# Altium PCB PCB_node1.PcbDoc
Units mil, origin at the board's own origin, x right, y up, seen from the top; angles counter-clockwise.
Board outline 6000 x 4000 mil, 2 copper layers (Top Layer, Bottom Layer); 44 components, 46 nets, 168 pads, 0 vias.
Unrouted connection lines stored in the file: 5.
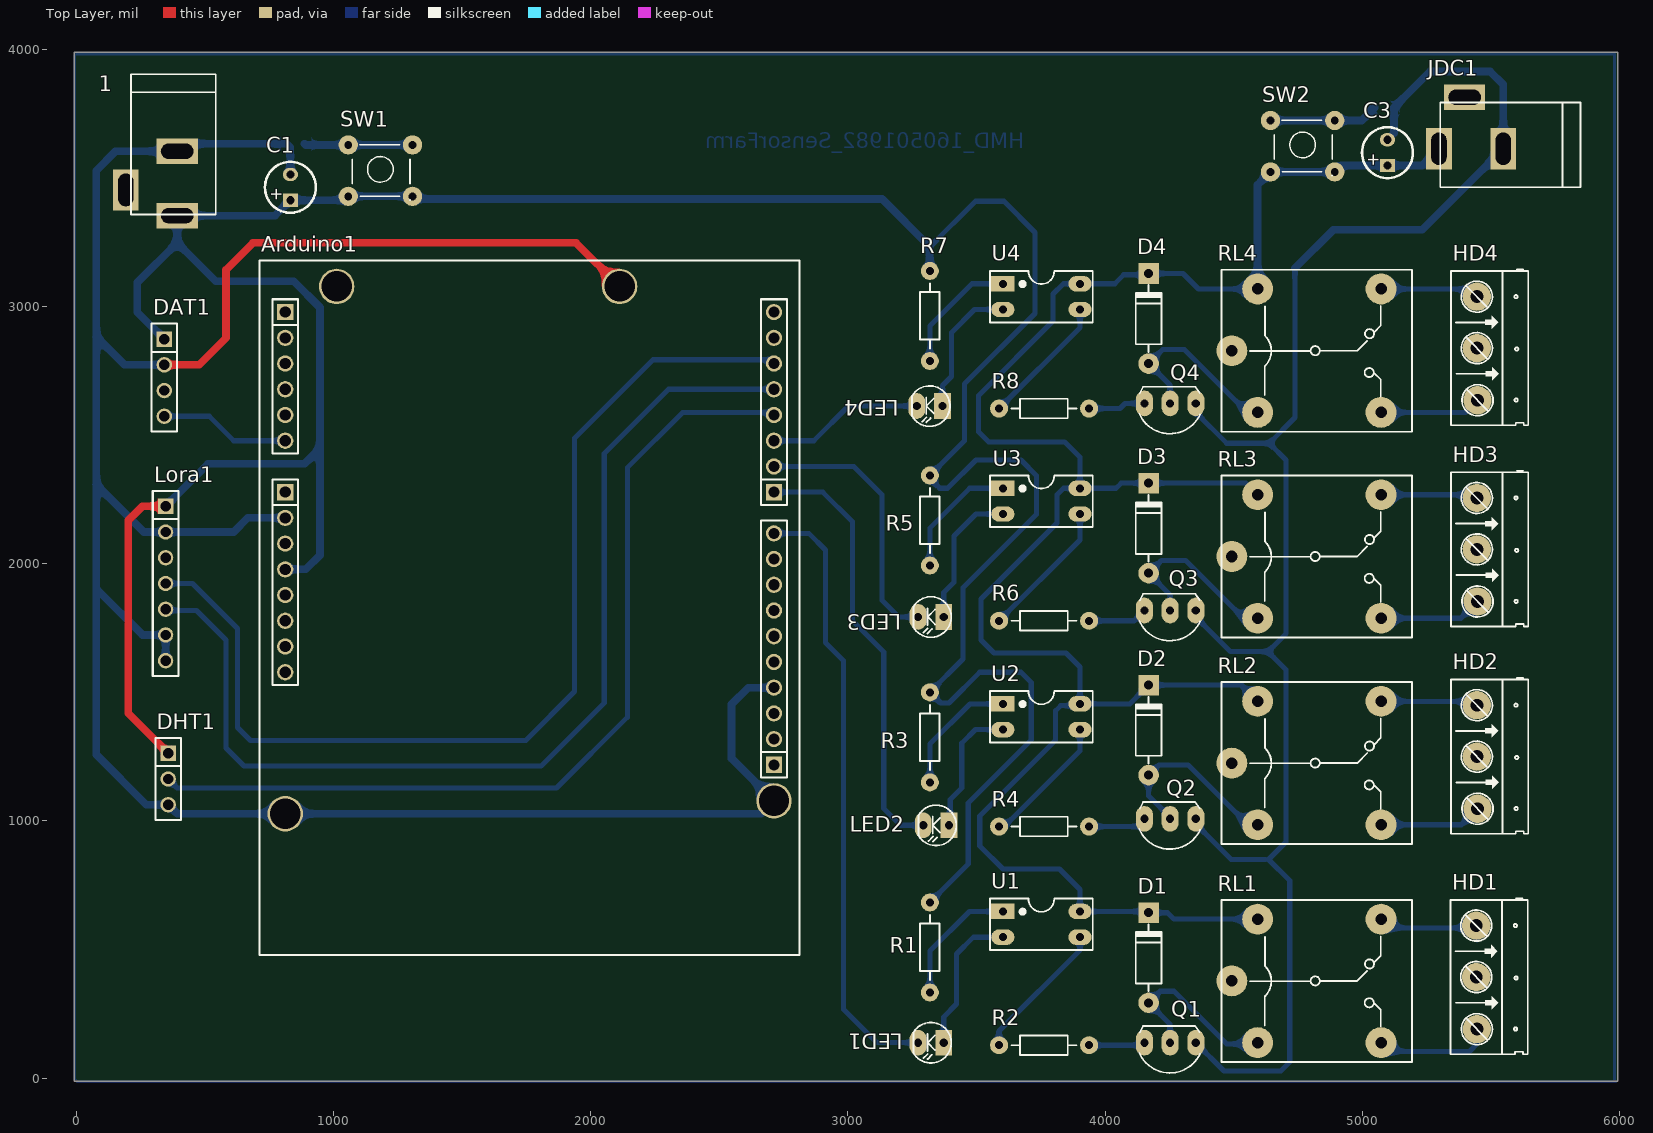
[diagram p0: Top Layer view]
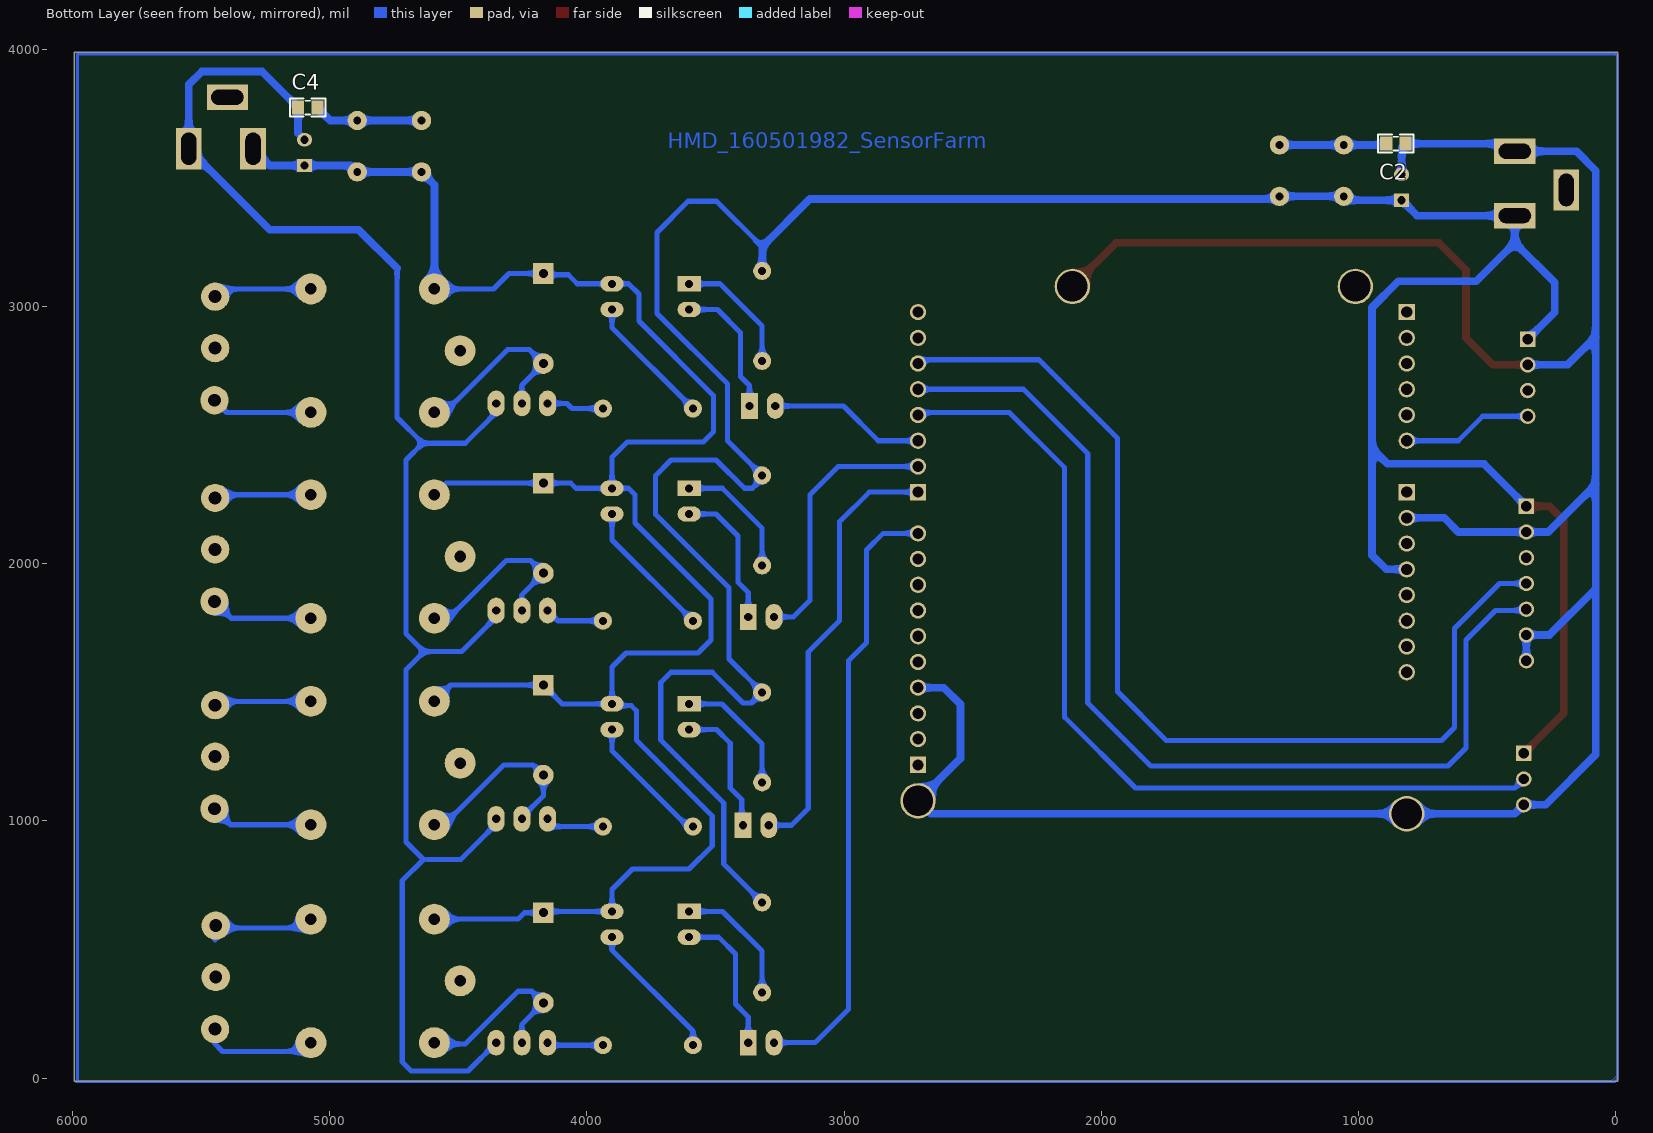
[diagram p1: Bottom Layer view, seen from below]

## Layer stack, top to bottom
Top Solder: solder mask 0.4, Solder Resist, Dk 3.5
Top Layer: signal copper 1.4
Dielectric 1: dielectric 12.6, FR-4, Dk 4.8
Bottom Layer: signal copper 1.4
Bottom Solder: solder mask 0.4, Solder Resist, Dk 3.5

## Board outline
-7.5,-12.5 5992.5,-12.5 5992.5,3987.5 -7.5,3987.5

## Design rules (kind name [scope] priority, off if disabled: settings)
Clearance [All] p1: gap=20 ignorepadtopadclearanceinfootprint=FALSE
PolygonConnect [All] p1: connectstyle=Relief reliefconductorwidth=10 reliefentries=4 polygonreliefangle="90 Angle" airgapwidth=10
RoutingVias [All] p1: holewidth=20 width=35 viastyle="Through Hole" minholewidth=15 minwidth=25 maxholewidth=28 maxwidth=50
SolderMaskExpansion [All] p1: expansion=4
Width [All] p1: maxlimit=40 minlimit=20 preferedwidth=30
30 further rules are at their usual default settings.

## Classes and differential pairs
component class node1: Arduino1 C2 C4 D1 D2 D3 D4 DAT1 DHT1 HD1 HD2 HD3 HD4 JDC JDC1 LED1 LED2 LED3 LED4 Lora1 Q1 Q2 Q3 Q4 R1 R2 R3 R4 R5 R6 R7 R8 RL1 RL2 RL3 RL4 U1 U2 U3 U4

## Components (designator, comment, footprint, x,y, rotation, side; value= is the part's Value field where it differs from the comment)
1 "Jack 1" DC-IN 292.5,3477.5 r270 top
Arduino1 "Arduino Uno R3" "Arduino UNO R3" 1722.5,1802.5 r270 top value="Cau 1A"
C1 "Cap Pol 5mm" C5mm 832.5,3462.5 r90 top
C2 "106" "Tu 0805" 855.27,3632.63 r180 bottom
C3 "Cap Pol 5mm" C5mm 5097.5,3597.5 r90 top
C4 "106" "Tu 0805" 5084.93,3772.37 r0 bottom
D1 "1N4007" D1A 4169,292.5 r270 top
D2 "1N4007" D1A 4169,1177.5 r270 top
D3 "1N4007" D1A 4169,1962.5 r270 top
D4 "1N4007" D1A 4169,2777.5 r270 top
DAT1 "" JP4-C1T 342.5,2872.5 r270 top
DHT1 "" JP3-C1T 357.5,1262.5 r270 top
HD1 "Header 3" HED3 5442.5,592.5 r270 top
HD2 "Header 3" HED3 5444.88,1449.4 r270 top
HD3 "Header 3" HED3 5444.88,2255.12 r270 top
HD4 "Header 3" HED3 5444.88,3037.5 r270 top
JDC1 "Jack 2" DC-IN 5422.5,3712.5 r180 top
LED1 "LED" LED-3 3372.5,137.5 r180 top value="LED 3 ly Single Colour"
LED2 "LED" LED-3 3392.5,982.5 r180 top value="LED 3 ly Single Colour"
LED3 "LED" LED-3 3372.5,1792.5 r180 top value="LED 3 ly Single Colour"
LED4 "LED" LED-3 3367.5,2612.5 r180 top value="LED 3 ly Single Colour"
Lora1 "" JP7-C1T 347.5,2222.5 r270 top
Q1 "C1815" QTO-92 4252.5,137.5 r180 top
Q2 "C1815" QTO-92 4252.5,1007.5 r180 top
Q3 "C1815" QTO-92 4252.5,1817.5 r180 top
Q4 "C1815" QTO-92 4252.5,2622.5 r180 top
R1 "Res1" R1/4W 3318.49,332.5 r90 top value=1K
R2 "Res1" R1/4W 3937.5,127.5 r180 top value=1K
R3 "Res1" R1/4W 3318.49,1149.4 r90 top value=1K
R4 "Res1" R1/4W 3937.5,977.5 r180 top value=1K
R5 "Res1" R1/4W 3318.49,1992.5 r90 top value=1K
R6 "Res1" R1/4W 3937.5,1777.5 r180 top value=1K
R7 "Res1" R1/4W 3318.49,2787.5 r90 top value=1K
R8 "Res1" R1/4W 3937.5,2602.5 r180 top value=1K
RL1 "Relay 5V" RL_SPDT_10A 4492.5,377.5 r0 top value="Relay SPDT, 10A, 12V"
RL2 "Relay 5V" RL_SPDT_10A 4492.5,1224.4 r0 top value="Relay SPDT, 10A, 12V"
RL3 "Relay 5V" RL_SPDT_10A 4492.5,2027.5 r0 top value="Relay SPDT, 10A, 12V"
RL4 "Relay 5V" RL_SPDT_10A 4492.5,2827.5 r0 top value="Relay SPDT, 10A, 12V"
SW1 "SW" SW4 1057.5,3627.5 r0 top value="Button chip 4 pin"
SW2 "SW" SW4 4642.5,3722.5 r0 top value="Button chip 4 pin"
U1 "PC817" DIP4/W0.3 3602,647.5 r270 top
U2 "PC817" DIP4/W0.3 3602,1454.4 r270 top
U3 "PC817" DIP4/W0.3 3602,2292.5 r270 top
U4 "PC817" DIP4/W0.3 3602,3087.5 r270 top

## Footprints (in the part's own frame and the unit in brackets; to place one, negate y for a bottom-side part, rotate by r counter-clockwise, add the part's x,y. Pads: shape width x height; smd on the part's side, far side on the other; paste and mask are expansions set on the pad)
"Arduino UNO R3" [mm]
  round 1.6 hole 1.1: 0-RX(-29.845,25.146) 1-TX(-27.305,25.146) 2(-24.765,25.146) 3V3(-1.905,-23.114) 4(-19.685,25.146) 5V(-4.445,-23.114) 8(-8.001,25.146) 12(2.159,25.146) 13(4.699,25.146) A0(-17.145,-23.114) A1(-19.685,-23.114) A2(-22.225,-23.114) A3(-24.765,-23.114) A4(-27.305,-23.114) AREF(9.779,25.146) GND(-9.525,-23.114) GND(-6.985,-23.114) GND(7.239,25.146) IOREF(3.175,-23.114) NC(5.715,-23.114) RESET(0.635,-23.114) SDA(12.319,25.146) ~3(-22.225,25.146) ~5(-17.145,25.146) ~6(-14.605,25.146) ~9(-5.461,25.146) ~10(-2.921,25.146) ~11(-0.381,25.146)
  rect 1.6x1.6 hole 1.1: 7(-12.065,25.146) A5(-29.845,-23.114) SCL(14.859,25.146) Vin(-12.065,-23.114)
  round 3.5 hole 3: GND(-32.385,9.906) GND(18.415,25.146) GND(19.685,-23.114) ""(-32.385,-18.034)
  round 0 all layers, no hole: ""(-32.385,9.906) ""(18.415,25.146) ""(19.685,-23.114)
  oval 0x2 all layers, no hole: ""(-32.385,-18.034)
  silkscreen extent -34.93,-25.65 33.66,27.69, body extent -34.93,-25.65 40,27.69, height 15.28
C5mm [mm]
  rect 1.3x1.5 hole 0.8: 1(-1.27,0)
  oval 1.3x1.5 hole 0.8: 2(1.27,0)
  silkscreen extent -2.51,-2.51 2.51,2.51, body extent -2.5,-2.5 2.49,2.5, height 11.01
D1A [mil] "Diode 1A, W 100mil, L 350mil"
  round 80 hole 35: 1(0,0)
  rect 80x80 hole 35: 2(-350,0)
  silkscreen extent -305,-50 -45,50, body extent -386,-33 34,36, height 84
DC-IN [mil] "Jac DC input"
  rect 100x160 hole 59.06 slot 125.98 at 90 deg: 1(125,100) 2(-125,100)
  rect 160x100 hole 59.06 slot 125.98 at 0 deg: 3(25,-100)
  silkscreen extent -425,-80 120,250, body extent -410,-105 134,269, height 434
DIP4/W0.3 [mil] "4 PIN, W 300mil, Pin to pin 100mil"
  rect 60x90 hole 31: 1(0,0)
  oval 60x90 hole 31: 2(100,0) 3(100,300) 4(0,300)
  silkscreen extent -50,-50 150,350, body extent -59,-10 159,305, height 170
HED3 [mil] "Header 3, 3 pin, hight 300mil, Pin to Pin 200, Colour Green"
  round 110 hole 50: 1(0,0) 2(200,0) 3(402.62,2.62)
  silkscreen extent -106,-100 500,200
JP3-C1T [mm] "3 row, straight, gold plating"
  rect 1.52x1.52 hole 1.02: 1(0,0)
  round 1.52 hole 1.02: 2(2.54,0) 3(5.08,0)
  silkscreen extent -1.52,-1.27 6.6,1.27, body extent -1.52,-1.25 6.6,1.25, height 8.51
JP4-C1T [mm] "4 row, straight, gold plating"
  rect 1.52x1.52 hole 1.02: 1(0,0)
  round 1.52 hole 1.02: 2(2.54,0) 3(5.08,0) 4(7.62,0)
  silkscreen extent -1.52,-1.27 9.14,1.27, body extent -1.52,-1.25 9.14,1.25, height 8.51
JP7-C1T [mm] "7 row, straight, gold plating"
  rect 1.52x1.52 hole 1.02: 1(0,0)
  round 1.52 hole 1.02: 2(2.54,0) 3(5.08,0) 4(7.62,0) 5(10.16,0) 6(12.7,0) 7(15.24,0)
  silkscreen extent -1.52,-1.27 16.76,1.27, body extent -1.52,-1.25 16.76,1.25, height 8.51
LED-3 [mil] "LED 2 PIN, 3ly Only colour"
  rect 65x100 hole 32: 1(0,0)
  oval 65x100 hole 32: 2(100,0)
  silkscreen extent -29,-78 118,79, body extent -25,-75 113,75, height 217
QTO-92 [mil] "TO-92"
  oval 66x100 hole 32: 1(-100,0) 2(0,0) 3(100,0)
  silkscreen extent -117,-65 120,118, body extent -109,-66 109,95, height 245
R1/4W [mil] "R 1/4W, 2 Pin, 350mil"
  round 70 hole 31: 1(0,0) 2(350,0)
  silkscreen extent 48,-38 302,38, body extent -40,-47 386,47, height 111
RL_SPDT_10A [mil] "Relay SPDT, 5 pin, 10A,W 650mil, L 800mil, H 800mil"
  round 120 hole 45: 1(0,0) 2(580,240) 3(580,-240) 4(100,-240) 5(100,240)
  silkscreen extent -40,-315 700,315, body extent -46,-304 706,306, height 602
SW4 [mil] "SW button 4pin, 250 x250 mil"
  round 75 hole 31: 1(0,0) 2(250,-200) 3(250,0) 4(0,-200)
  silkscreen extent 15,-215 240,0, body extent -36,-220 276,24, height 276
"Tu 0805" [mm] "Compoment SMD 80x50mil"
  rect 1.2x1.4 smd: 1(-0.946,-0.003) 2(0.954,-0.003)
  silkscreen extent -1.75,-0.89 1.75,0.89, body extent -1.01,-0.64 1.01,0.63, height 0.61

## Part data
1 JDC1: library part Jac_DC, "C?m", Chung_Loai=C?m, Don_Vi=Con, Ma_Hang=MH000923, Ten_Linh_Kien="Jack DC5.5x2.1MM DC5501"
Arduino1: "Arduino UNO R3", ="Cau 5A"
C1 C3: "Polarized Capacitor (Axial)", LatestRevisionDate=17-Jul-2002, LatestRevisionNote="Re-released for DXP Platform.", PackageReference=POLAR0.8, Published=8-Jun-2000, Publisher="Altium Limited"
C2 C4: library part "Tu 0805 106 16V 10%", "D醤", Chung_Loai=D醤, Don_Vi=Con, Ma_Hang=MH004553, So_Chan=2, Ten_Linh_Kien="T? 0805 106-10uF 10% 16V"
D1 D2 D3 D4: library part D1A, "Diode 1A"
DAT1: library part JP4, "WR-PHD 2.54 mm Angled Socket Header", Manufacturer="Würth Elektronik eiSos GmbH", partNo=613004143121, ComponentLink1 Description=Manufacturer, ComponentLink1URL=http://www.we-online.com, ComponentLink2 Description=Datasheet, ComponentLink2URL=http://katalog.we-online.de/em/datasheet/6130xx143121.pdf, Created by="Karrer Zheng", Created Date="29 March 2013", NoPins=04
DHT1: library part JP3, "WR-PHD 2.54 mm Angled Socket Header", Manufacturer="Würth Elektronik eiSos GmbH", partNo=613003143121, ComponentLink1 Description=Manufacturer, ComponentLink1URL=http://www.we-online.com, ComponentLink2 Description=Datasheet, ComponentLink2URL=http://katalog.we-online.de/em/datasheet/6130xx143121.pdf, Created by="Karrer Zheng", Created Date="29 March 2013", NoPins=03
HD1 HD2 HD3 HD4: library part Hed3, "Header 3 (Green)"
LED1 LED2 LED3 LED4: "LED Single colour Green and Red"
Lora1: library part JP7, "WR-PHD 2.54 mm Angled Socket Header", Manufacturer="Würth Elektronik eiSos GmbH", partNo=613007143121, ComponentLink1 Description=Manufacturer, ComponentLink1URL=http://www.we-online.com, ComponentLink2 Description=Datasheet, ComponentLink2URL=http://katalog.we-online.de/em/datasheet/6130xx143121.pdf, Created by="Karrer Zheng", Created Date="29 March 2013", NoPins=07
Q1 Q2 Q3 Q4: "NPN 600mW, ECB", =C2383
R1 R2 R3 R4 R5 R6 R7 R8: library part Res1_1, "Resistor", Manufacturer="Generic Components", Class=Passive, Published=08/06/2000, Publisher="Altium Hobart Technology Centre", SubClass=Resistor
RL1 RL2 RL3 RL4: library part "Relay 1", "Relay SPDT,10A - 12VDC 5 Pin", ="Relay SPDT, 10A, 24V"
SW1 SW2: library part SW4, "Switch button 4 pin"
U1 U2 U3 U4: "Single Opto"

## Nets (pads, with @x,y where several pads share a name; then routed paths per layer and width w, separated by ;. In a path a pad name is that pad's centre, name@x,y a point inside that pad or via, vN(x,y) a via of type N, cw(c..) or ccw(c..) an arc to the next point about the centre after c; other vN are vias at no path point)
5V: 1.1 Arduino1.5V C1.1 DAT1.1 DHT1.1 Lora1.1 R1.2 R3.2 R5.2 R7.2 SW1.2 SW1.4 | length 11999.5
  Top Layer w30: Lora1.1 257.5,2222.5 202.5,2167.5 202.5,1417.5 DHT1.1
  Bottom Layer w20: R1.2 3467.5,831.51 3467.5,1069.07 3712.5,1314.07 3712.5,1537.5 3672.5,1577.5 3512.5,1577.5 3392.5,1457.5 3360.38,1457.5 R3.2 3447.5,1628.41 3447.5,1905.93 3732.5,2190.93 3732.5,2342.5 3672.5,2402.5 3497.5,2402.5 3387.5,2292.5 3357,2292.5 3318.49,2331.01 R5.2 3452.5,2476.51 3452.5,2697.5 3727.5,2972.5 3727.5,3287.5 3606.51,3408.49 3495.46,3408.49 3318.49,3231.51
  Bottom Layer w30: DAT1.1 237.5,2977.5 237.5,3092.5 392.5,3247.5 ; Lora1.1 512.5,2387.5 887.5,2387.5 947.5,2447.5 ; Arduino1.5V 892.5,1977.5 947.5,2032.5 947.5,2447.5 ; R7.2 3318.49,3231.51 3132.5,3417.5 1317.5,3417.5 SW1.2 SW1.4 1042.5,3412.5 C1.1 772.5,3352.5 1.1 392.5,3247.5 ; 392.5,3247.5 542.5,3097.5 845.57,3097.5 947.5,2995.57 947.5,2447.5
5V_B: C3.1 D1.2 D2.2 D3.2 D4.2 JDC1.1 RL1.5 RL2.5 RL3.5 RL4.5 SW2.2 SW2.4 U1.4 U2.4 U3.4 U4.4 | length 8080.1
  Bottom Layer w20: D2.2@4169,1517.5 D2.2 ; RL1.5@4592.5,583.57 4558.57,617.5 4267.5,617.5 4242.5,642.5 D1.2 4164,647.5 U1.4 3902,733 3822.5,812.5 3602.5,812.5 3512.5,902.5 3512.5,1019.07 3807.5,1314.07 3807.5,1427.5 3827.5,1447.5 3895.1,1447.5 U2.4 ; RL2.5 4529.4,1527.5 D2.2 ; RL3.5 4547.5,2312.5 D3.2 4062.5,2312.5 4042.5,2292.5 U3.4 ; RL4.5 4362.5,3067.5 4302.5,3127.5 D4.2 4164,3122.5 4072.5,3122.5 4037.5,3087.5 U4.4 3837.5,3087.5 3797.5,3047.5 3797.5,2942.5 3507.5,2652.5 3507.5,2512.5 3547.5,2472.5 3842.5,2472.5 3902,2413 U3.4 ; U2.4 3902,1598 3847.5,1652.5 3567.5,1652.5 3517.5,1702.5 3517.5,1862.5 3812.5,2157.5 3812.5,2267.5 3837.5,2292.5 U3.4 ; U2.4 4095.9,1454.4 D2.2
  Bottom Layer w30: RL4.5 4592.5,3472.5 SW2.4 SW2.2 4917.5,3547.5 C3.1 5232.5,3547.5 JDC1.1
GND: 1.2 Arduino1.GND C1.2 C2.2 DAT1.2 DHT1.3 Lora1.2 Lora1.6 Lora1.7 | length 10345.9
  Top Layer w30: DAT1.2 477.5,2772.5 582.5,2877.5 582.5,3142.5 687.5,3247.5 1942.5,3247.5 Arduino1.GND@2112.5,3077.5
  Bottom Layer w30: DAT1.2 187.5,2772.5 77.5,2882.5 ; Lora1.7 Lora1.6 257.5,1722.5 82.5,1897.5 77.5,1897.5 ; Arduino1.GND@812.5,2177.5 667.5,2177.5 612.5,2122.5 Lora1.2 262.5,2122.5 77.5,2307.5 ; C1.2 832.5,3617.7 C2.2 422.5,3632.5 1.2 152.5,3602.5 77.5,3527.5 77.5,2882.5 ; Arduino1.GND@2712.5,1517.5 2612.5,1517.5 2547.5,1452.5 2547.5,1242.5 2712.5,1077.5 2662.5,1027.5 812.5,1027.5 392.5,1027.5 DHT1.3 272.5,1062.5 77.5,1257.5 77.5,1897.5 ; 77.5,1897.5 77.5,2307.5 ; 77.5,2307.5 77.5,2882.5
GND_B: C3.2 C4.2 JDC1.2 Q1.1 Q2.1 Q3.1 Q4.1 | length 6680.1
  Bottom Layer w20: Q1.1 4462.5,27.5 4682.5,27.5 4717.5,62.5 4717.5,767.5 4635,850 4702.5,917.5 4702.5,1587.5 4632.5,1657.5 ; Q2.1 4352.5,987.5 4490,850 4622.5,850 ; Q3.1 4352.5,1792.5 4487.5,1657.5 4632.5,1657.5 ; Q4.1@4364.78,2622.5 Q4.1 4352.5,2587.5 4472.5,2467.5 4637.5,2467.5 ; 4737.5,3147.5 4737.5,2567.5 4637.5,2467.5 ; 4632.5,1657.5 4702.5,1727.5 4702.5,2402.5 4637.5,2467.5
  Bottom Layer w30: 4737.5,3147.5 4887.5,3297.5 5232.5,3297.5 JDC1.2 5547.5,3862.5 5497.5,3912.5 5262.5,3912.5 C4.2 5122.5,3672.5 C3.2
"GPIO 5": Arduino1.~5 LED4.2 | length 610.9
  Bottom Layer w20: Arduino1.~5 2867.5,2477.5 3002.5,2612.5 LED4.2
"GPIO 6": Arduino1.~6 LED3.2 | length 1042.5
  Bottom Layer w20: Arduino1.~6 3022.5,2377.5 3132.5,2267.5 3132.5,1857.5 3197.5,1792.5 LED3.2
"GPIO 7": Arduino1.7 LED2.2 | length 1698.2
  Bottom Layer w20: Arduino1.7 2902.5,2277.5 3017.5,2162.5 3017.5,1777.5 3139.4,1655.6 3139.4,1047.5 3204.4,982.5 LED2.2
"GPIO 8": Arduino1.8 LED1.2 | length 2384.8
  Bottom Layer w20: Arduino1.8 2847.5,2117.5 2912.5,2052.5 2912.5,1692.5 2982.5,1622.5 2982.5,267.5 3112.5,137.5 LED1.2
NetArduino1_2: Arduino1.2 Lora1.4 | length 4039.4
  Bottom Layer w20: Lora1.4 452.5,1922.5 627.5,1747.5 627.5,1362.5 677.5,1312.5 1747.5,1312.5 1937.5,1502.5 1937.5,2487.5 2242.5,2792.5 2697.5,2792.5 Arduino1.2
NetArduino1_4: Arduino1.4 DHT1.2 | length 3566.6
  Bottom Layer w20: DHT1.2@337.5,1162.5 DHT1.2 392.5,1127.5 1867.5,1127.5 2142.5,1402.5 2142.5,2372.5 2357.5,2587.5 2702.5,2587.5 Arduino1.4
NetArduino1_A0: Arduino1.A0 DAT1.4 | length 509.4
  Bottom Layer w20: DAT1.4 517.5,2572.5 612.5,2477.5 Arduino1.A0
NetArduino1_~3: Arduino1.~3 Lora1.5 | length 4038.7
  Bottom Layer w20: Lora1.5 352.5,1817.5 467.5,1817.5 582.5,1702.5 582.5,1282.5 652.5,1212.5 1807.5,1212.5 2052.5,1457.5 2052.5,2427.5 2302.5,2677.5 Arduino1.~3
NetC2_1: C2.1 SW1.1 SW1.3 | length 427.1
  Bottom Layer w20: C2.1@887.5,3632.5 C2.1
  Bottom Layer w30: C2.1@887.5,3632.5 892.5,3627.5 SW1.1 SW1.3
NetC4_1: C4.1 SW2.1 SW2.3 | length 425.9
  Bottom Layer w30: SW2.1 SW2.3 4997.7,3722.5 C4.1
NetD1_1: D1.1 Q1.2 RL1.4 | length 728.6
  Bottom Layer w20: Q1.2 4252.5,209 D1.1 4214,337.5 4267.5,337.5 4472.5,132.5 4563.57,132.5 RL1.4@4592.5,103.57
NetD2_1: D2.1 Q2.2 RL2.4 | length 741.2
  Bottom Layer w20: Q2.2 4252.5,1013.6 4169,1097.1 D2.1 4209,1217.5 4322.5,1217.5 4555.6,984.4 RL2.4
NetD3_1: D3.1 Q3.2 RL3.4 | length 717
  Bottom Layer w20: Q3.2 4252.5,1879 D3.1 4219,2012.5 4312.5,2012.5 4537.5,1787.5 RL3.4
NetD4_1: D4.1 Q4.2 RL4.4 | length 737.4
  Bottom Layer w20: Q4.2 4252.5,2694 D4.1 4224,2832.5 4307.5,2832.5 4552.5,2587.5 RL4.4
NetHD1_1: HD1.1 RL1.2 | length 391.5
  Bottom Layer w20: RL1.2@5072.5,583.57 5398.81,583.57 5444.88,537.5
NetHD1_2: HD1.2 RL1.1
NetHD1_3: HD1.3 RL1.3 | length 388
  Bottom Layer w20: RL1.3@5072.5,103.57 5416.19,103.57 5447.5,134.88
NetHD2_1: HD2.1 RL2.2 | length 378.6
  Bottom Layer w20: RL2.2 5429.88,1464.4 HD2.1
NetHD2_2: HD2.2 RL2.1
NetHD2_3: HD2.3 RL2.3 | length 400.8
  Bottom Layer w20: RL2.3 5385.12,984.4 HD2.3
NetHD3_1: HD3.1 RL3.2 | length 377.5
  Bottom Layer w20: RL3.2 5432.5,2267.5 HD3.1
NetHD3_2: HD3.2 RL3.1
NetHD3_3: HD3.3 RL3.3 | length 401.9
  Bottom Layer w20: RL3.3 5382.5,1787.5 HD3.3
NetHD4_1: HD4.1 RL4.2 | length 384.8
  Bottom Layer w20: RL4.2 5414.88,3067.5 HD4.1
NetHD4_2: HD4.2 RL4.1
NetHD4_3: HD4.3 RL4.3 | length 394.6
  Bottom Layer w20: RL4.3 5400.12,2587.5 HD4.3
NetLED1_1: LED1.1 U1.2 | length 572.1
  Bottom Layer w20: LED1.1 3372.5,237.5 3422.5,287.5 3422.5,482.5 3487.5,547.5 U1.2
NetLED2_1: LED2.1 U2.2 | length 521
  Bottom Layer w20: LED2.1 3397.5,987.5 3397.5,1082.5 3442.5,1127.5 3442.5,1301.29 3495.6,1354.4 U2.2
NetLED3_1: LED3.1 U3.2 | length 556.3
  Bottom Layer w20: LED3.1 3372.5,1887.5 3412.5,1927.5 3412.5,2107.5 3497.5,2192.5 U3.2
NetLED4_1: LED4.1 U4.2 | length 536.3
  Bottom Layer w20: LED4.1 3367.5,2692.5 3402.5,2727.5 3402.5,2897.5 3492.5,2987.5 U4.2
NetQ1_3: Q1.3 R2.1 | length 219.1
  Bottom Layer w20: R2.1 4142.5,127.5 Q1.3
NetQ2_3: Q2.3 R4.1 | length 227.4
  Bottom Layer w20: R4.1 4122.5,977.5 Q2.3
NetQ3_3: Q3.3 R6.1 | length 231.6
  Bottom Layer w20: R6.1 4112.5,1777.5 Q3.3
NetQ4_3: Q4.3 R8.1 | length 251.6
  Bottom Layer w20: R8.1 4057.5,2602.5 4077.5,2622.5 Q4.3 Q4.3@4132.5,2602.5
NetR1_1: R1.1 U1.1 | length 508.3
  Bottom Layer w20: R1.1 3318.49,493.49 3472.5,647.5 U1.1
NetR2_2: R2.2 U1.3 | length 550.3
  Bottom Layer w20: R2.2 3587.5,182.5 3902,497 U1.3
NetR3_1: R3.1 U2.1 | length 497.2
  Bottom Layer w20: R3.1 3318.49,1298.49 3474.4,1454.4 U2.1
NetR4_2: R4.2 U2.3 | length 518.9
  Bottom Layer w20: R4.2 3607.5,977.5 3902,1272 U2.3
NetR5_1: R5.1 U3.1 | length 492.7
  Bottom Layer w20: R5.1 3318.49,2137.5 3473.49,2292.5 U3.1
NetR6_2: R6.2 U3.3 | length 545.3
  Bottom Layer w20: R6.2 3902,2092 U3.3
NetR7_1: R7.1 U4.1 | length 487.4
  Bottom Layer w20: R7.1 3318.49,2923.49 3482.5,3087.5 U4.1
NetR8_2: R8.2 U4.3 | length 515.3
  Bottom Layer w20: R8.2 3902,2917 U4.3
pads on no net: 1.3 Arduino1. Arduino1.0-RX Arduino1.1-TX Arduino1.3V3 Arduino1.12 Arduino1.13 Arduino1.A1 Arduino1.A2 Arduino1.A3 Arduino1.A4 Arduino1.A5 Arduino1.AREF Arduino1.IOREF Arduino1.NC Arduino1.RESET Arduino1.SCL Arduino1.SDA Arduino1.Vin Arduino1.~9 Arduino1.~10 Arduino1.~11 DAT1.3 JDC1.3 Lora1.3
copper on no net: | length 19951.2
  Bottom Layer w10: -5,3975 -5,-5 5,-15 5985,-15 5980,-10 5980,3980 0,3980

## Polygon pours and split planes (outlines as drawn)
GND on Bottom Layer (solid, remove dead copper, pour order 4): -5,3975 -5,10 15,-10 5980,-10 5980,3980 10,3980

## Other copper
Bottom Layer:
  text "HMD_160501982_SensorFarm" at 3685,3615 h60

## Text inside footprints (layer, text, board x,y; h text height)
C1: Top Overlay "+" at 799.5,3407.5 h47.24 r90
C3: Top Overlay "+" at 5064.5,3542.5 h47.24 r90